# KiCad board Beacon_Multiboard_Stencil.kicad_pcb
title: Beacon; date: 2023-09-02; rev: 1; company: Beep Boop
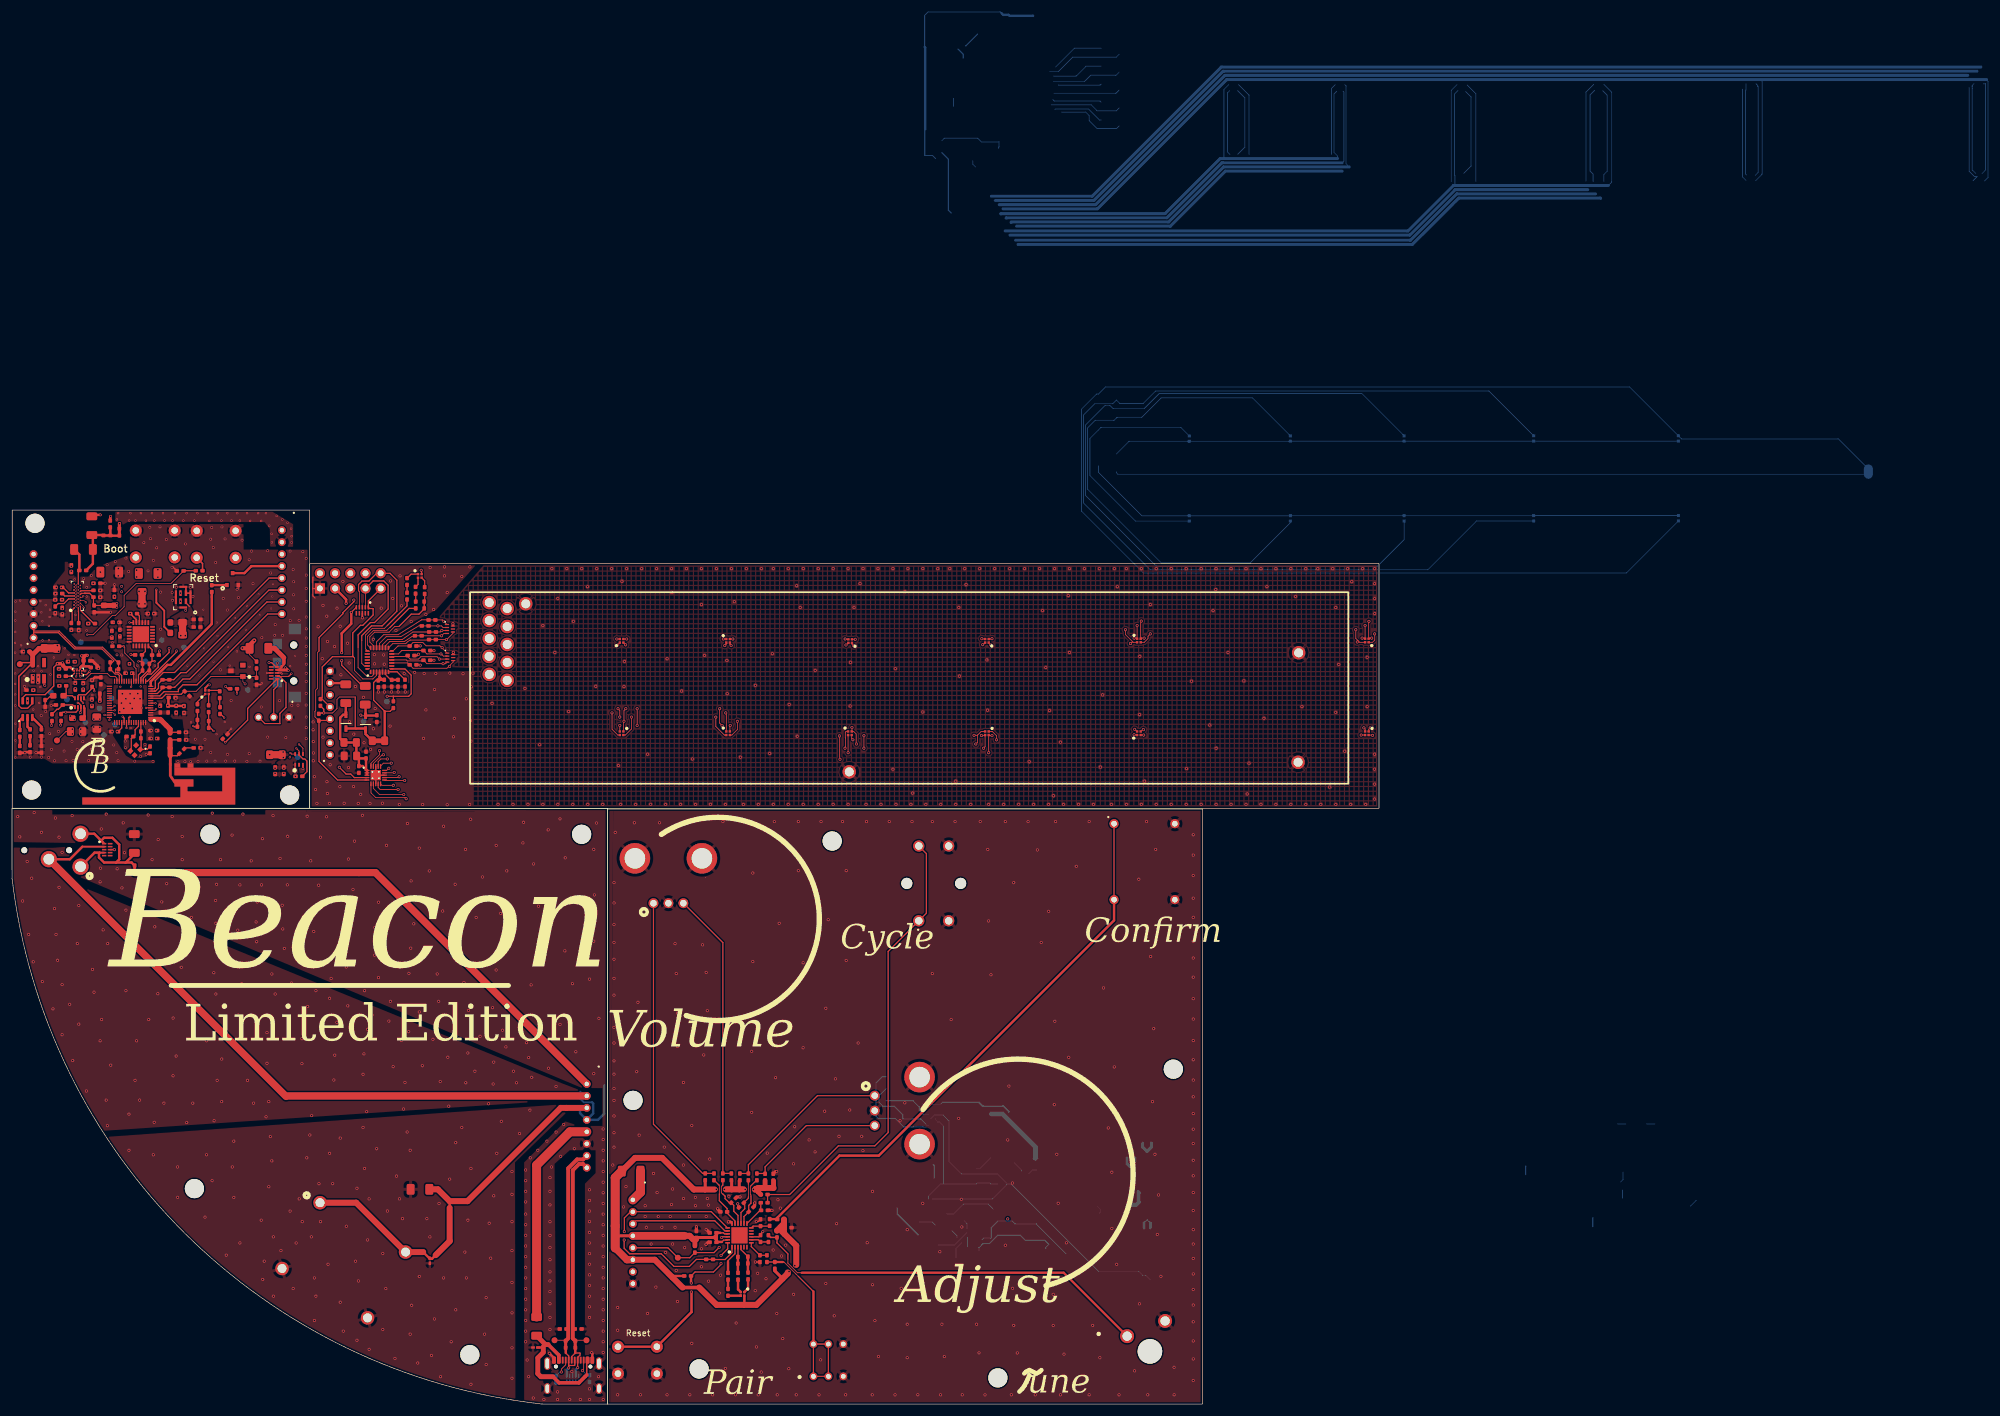
[diagram p0: board, top side]
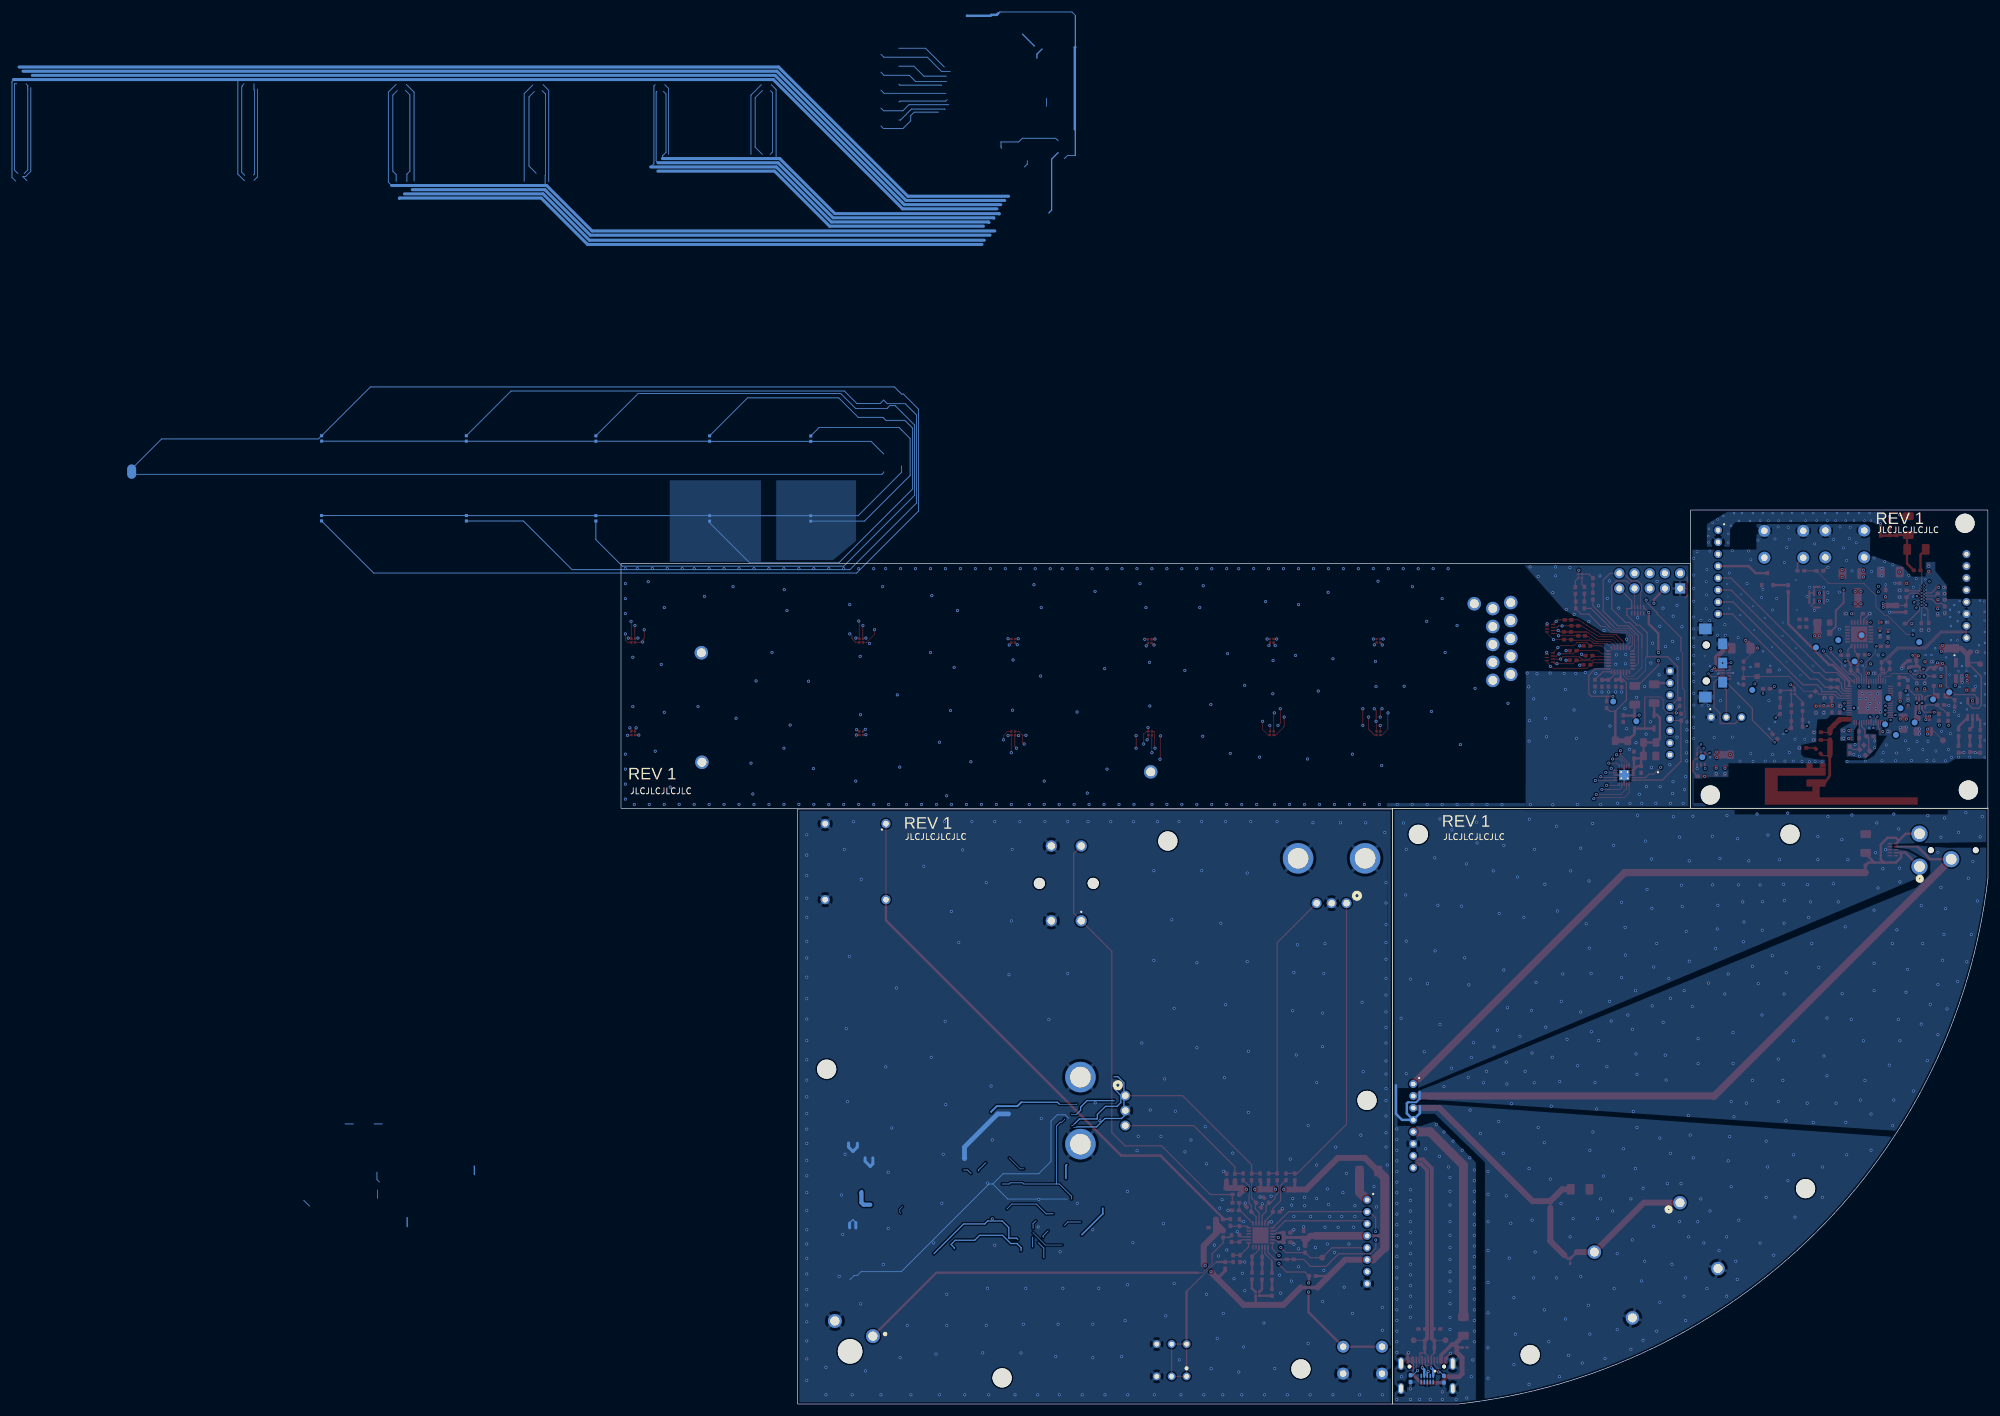
[diagram p1: board, bottom side, seen from below]

Outline 228.46 x 149.41 mm; copper layers: Top, In1.Cu, In2.Cu, In3.Cu, In4.Cu, Bottom. Coordinates in mm from the lower left corner of the outline.
Outline path: rectangle 0.04,149.41 49.71,99.58 ; rectangle 49.77,140.46 228.46,99.57 ; rectangle 99.5,99.44 198.94,0 ; 0,99.57 99.54,99.57 99.5,0 88.58,0 arc(28.95,28.47) 0.01,87.88 0,99.57
Stack: Top 0.035mm / dielectric 0.1mm FR4 er 4.5 / In1.Cu 0.035mm / dielectric 0.535mm FR4 er 4.5 / In2.Cu 0.035mm / dielectric 0.1mm FR4 er 4.5 / In3.Cu 0.035mm / dielectric 0.535mm FR4 er 4.5 / In4.Cu 0.035mm / dielectric 0.1mm FR4 er 4.5 / Bottom 0.035mm

## Placement (name value [footprint] x y rotation side)
AE801  F-ANTENNA  [2.4GHz_Inverted_F_Antenna]  11.74 100.18 180 top
Audio  -  [Board]  99.24 99.55 0 top
C301  1u00_0402_10  [0402_1005Metric_Handsolder]  127.23 37.91 270 top
C302  1u00_0402_10  [0402_1005Metric_Handsolder]  129.72 29.48 180 top
C303  1u00_0402_10  [0402_1005Metric_Handsolder]  59.17 108.47 270 top
C401  100n_0402_16  [0402_1005Metric_Handsolder]  57.98 106.05 90 top
C402  10u0_0805_16  [0805_2012Metric_Handsolder]  56.58 108.33 0 top
C403  1u00_0402_10  [0402_1005Metric_Handsolder]  61.22 120.37 90 top
C404  1u00_0402_10  [0402_1005Metric_Handsolder]  60.97 114.55 90 top
C405  10n0_0402_25  [0402_1005Metric_Handsolder]  62.21 120.47 90 top
C406  ????_0402_25  [0402_1005Metric_Handsolder]  67.02 123.55 180 top
C407  100n_0402_16  [0402_1005Metric_Handsolder]  64.52 120.45 90 top
C408  1u00_0402_10  [0402_1005Metric_Handsolder]  63.45 120.45 90 top
C409  100n_0402_16  [0402_1005Metric_Handsolder]  65.69 120.48 90 top
C410  ????_0402_25  [0402_1005Metric_Handsolder]  69.34 124.31 180 top
C411  ????_0402_25  [0402_1005Metric_Handsolder]  66.7 125.09 180 top
C412  ????_0402_25  [0402_1005Metric_Handsolder]  69.34 125.93 180 top
C413  ????_0402_25  [0402_1005Metric_Handsolder]  67.02 126.7 180 top
C501  4u70_0402_10  [0402_1005Metric_Handsolder]  11.9 119.92 270 top
C502  10u0_0805_16  [0805_2012Metric_Handsolder]  10.78 112.38 180 top
C503  10u0_0805_16  [0805_2012Metric_Handsolder]  14.15 113.81 90 top
C504  1u00_0402_10  [0402_1005Metric_Handsolder]  8.43 122.89 0 top
C505  1u00_0402_10  [0402_1005Metric_Handsolder]  9.91 124.06 0 top
C506  1u00_0402_10  [0402_1005Metric_Handsolder]  12.54 124.21 180 top
C507  100n_0402_16  [0402_1005Metric_Handsolder]  13.39 120.43 90 top
C508  100n_0402_16  [0402_1005Metric_Handsolder]  29.27 118.72 135 top
C509  1u00_1206_10_T  [1206_3216Metric_Handsolder]  20.44 93.7 90 top
C511  ????_0402_10  [0402_1005Metric_Handsolder]  10.58 119.96 270 top
C512  ????_0402_10  [0402_1005Metric_Handsolder]  13.37 117.2 270 top
C513  ????_0402_10  [0402_1005Metric_Handsolder]  13.74 123.1 180 top
C514  1u00_1206_10_T  [1206_3216Metric_Handsolder]  68.16 35.89 180 top
C531  ????_0402_25  [0402_1005Metric_Handsolder]  92.1 12.54 0 top
C532  ????_0402_25  [0402_1005Metric_Handsolder]  94.63 12.54 180 top
C533  1u00_0402_10  [0402_1005Metric_Handsolder]  2.99 119.32 0 top
C534  1u00_0402_10  [0402_1005Metric_Handsolder]  2.38 125.74 0 top
C601  ????_0402_25  [0402_1005Metric_Handsolder]  17.11 135.48 270 top
C602  ????_0402_25  [0402_1005Metric_Handsolder]  13.74 132.9 90 top
C603  1u00_0402_10  [0402_1005Metric_Handsolder]  14.19 134.85 180 top
C604  1u00_0402_10  [0402_1005Metric_Handsolder]  7.82 136.48 0 top
C605  1u00_0402_10  [0402_1005Metric_Handsolder]  9.92 139.61 270 top
C606  1u00_0402_10  [0402_1005Metric_Handsolder]  8.4 132.51 90 top
C607  1u00_1206_10_T  [1206_3216Metric_Handsolder]  11.98 142.83 0 top
C608  1u00_0402_10  [0402_1005Metric_Handsolder]  11.83 139.32 0 top
C609  1u00_0402_10  [0402_1005Metric_Handsolder]  16.42 147.09 90 top
C610  1u00_1206_10_T  [1206_3216Metric_Handsolder]  13.35 146.82 90 top
C611  1u00_1206_10_T  [1206_3216Metric_Handsolder]  16.35 139.04 0 top
C612  1u00_0402_10  [0402_1005Metric_Handsolder]  14.2 137.17 0 top
C613  1u00_0402_10  [0402_1005Metric_Handsolder]  13.31 130.44 0 top
C614  1u00_0402_10  [0402_1005Metric_Handsolder]  7.23 132.73 90 top
C615  1u00_0402_10  [0402_1005Metric_Handsolder]  7.83 135.46 0 top
C616  1u00_0402_10  [0402_1005Metric_Handsolder]  7.8 134.42 0 top
C617  1u00_0402_10  [0402_1005Metric_Handsolder]  9.92 129.96 90 top
C618  1u00_0402_10  [0402_1005Metric_Handsolder]  11.15 129.94 90 top
C619  1u00_0402_10  [0402_1005Metric_Handsolder]  14.19 135.99 180 top
C701  1u00_0402_10  [0402_1005Metric_Handsolder]  23.69 112.56 180 top
C702  100n_0402_16  [0402_1005Metric_Handsolder]  23.72 111.23 180 top
C703  100n_0402_16  [0402_1005Metric_Handsolder]  19.54 122.15 0 top
C704  ????_0402_10  [0402_1005Metric_Handsolder]  28.75 116.08 90 top
C705  1u00_0402_10  [0402_1005Metric_Handsolder]  27.44 116.11 90 top
C706  100n_0402_16  [0402_1005Metric_Handsolder]  26.76 118.08 180 top
C707  100n_0402_16  [0402_1005Metric_Handsolder]  24.79 116.14 270 top
C708  100n_0402_16  [0402_1005Metric_Handsolder]  14.85 120.87 270 top
C709  100n_0402_16  [0402_1005Metric_Handsolder]  17.16 112.38 0 top
C710  3p90_0402_25  [0402_1005Metric_Handsolder]  23.08 109.33 90 top
C711  3p90_0402_25  [0402_1005Metric_Handsolder]  19.71 111.56 0 top
C801  100n_0402_16  [0402_1005Metric_Handsolder]  28.11 139.24 0 top
C802  3p30_0402_50_N  [0402_1005Metric_Handsolder]  28.53 111 180 top
C803  3p60_0402_50_N  [0402_1005Metric_Handsolder]  28.5 112.27 180 top
C804  100n_0402_16  [0402_1005Metric_Handsolder]  30.93 109.66 180 top
C1001  100n_0402_16  [0402_1005Metric_Handsolder]  18.04 128.85 90 top
C1002  4u70_0402_10  [0402_1005Metric_Handsolder]  17.41 130.65 0 top
C1003  10n0_0402_25  [0402_1005Metric_Handsolder]  23.25 132.1 180 top
C1004  1u00_0402_10  [0402_1005Metric_Handsolder]  20.33 132.1 0 top
C1005  ????_0402_10  [0402_1005Metric_Handsolder]  16.7 128.64 90 top
C1101  4u70_0402_10  [0402_1005Metric_Handsolder]  45.43 105.84 90 top
C1102  100n_0402_16  [0402_1005Metric_Handsolder]  43.98 105.84 90 top
C1201  4u70_0402_10  [0402_1005Metric_Handsolder]  30.94 131.13 180 top
C1202  100n_0402_16  [0402_1005Metric_Handsolder]  30.93 129.85 180 top
C1401  100n_0402_16  [0402_1005Metric_Handsolder]  125.76 32.38 180 top
C1402  100n_0402_16  [0402_1005Metric_Handsolder]  125.1 30.3 270 top
C1403  100n_0402_16  [0402_1005Metric_Handsolder]  125 24.3 90 top
C1404  100n_0402_16  [0402_1005Metric_Handsolder]  125.1 27.66 270 top
C1405  10n0_0402_25  [0402_1005Metric_Handsolder]  118.95 32.12 0 top
C1406  10n0_0402_25  [0402_1005Metric_Handsolder]  120.58 34.05 225 top
C1407  10n0_0402_25  [0402_1005Metric_Handsolder]  121.9 33.24 45 top
C1408  10n0_0402_25  [0402_1005Metric_Handsolder]  123.52 32.53 225 top
C1501  100n_0402_16  [0402_1005Metric_Handsolder]  117.17 27.04 0 top
C1502  100n_0402_16  [0402_1005Metric_Handsolder]  114.38 28.34 270 top
C1503  1u00_0402_10  [0402_1005Metric_Handsolder]  117.17 28.62 0 top
C1603  ~  [TOUCH_SENSE]  278.49 161.38 270 bottom
C1604  ~  [TOUCH_SENSE]  254.31 161.37 270 bottom
C1605  ~  [TOUCH_SENSE]  232.66 161.36 270 bottom
C1606  ~  [TOUCH_SENSE]  213.65 161.36 270 bottom
C1607  ~  [TOUCH_SENSE]  196.75 161.34 270 bottom
C1609  ~  [TOUCH_SENSE]  278.5 148.04 90 bottom
C1610  ~  [TOUCH_SENSE]  254.3 148.03 90 bottom
C1611  ~  [TOUCH_SENSE]  232.66 148.02 90 bottom
C1612  ~  [TOUCH_SENSE]  213.65 148.02 90 bottom
C1613  ~  [TOUCH_SENSE]  196.75 148.01 90 bottom
C1618  ~  [TOUCH_SENSE]  310.24 155.83 270 bottom
D401  UHD1110  [UHD1110FKACL1A13r3q1BBQFMF3]  140.08 127.51 180 top
D402  UHD1110  [UHD1110FKACL1A13r3q1BBQFMF3]  140.03 112.11 0 top
D403  UHD1110  [UHD1110FKACL1A13r3q1BBQFMF3]  162.93 127.56 180 top
D404  UHD1110  [UHD1110FKACL1A13r3q1BBQFMF3]  162.93 112.11 270 top
D405  UHD1110  [UHD1110FKACL1A13r3q1BBQFMF3]  101.88 127.56 90 top
D406  UHD1110  [UHD1110FKACL1A13r3q1BBQFMF3]  101.88 112.11 270 top
D407  UHD1110  [UHD1110FKACL1A13r3q1BBQFMF3]  119.68 127.56 0 top
D408  UHD1110  [UHD1110FKACL1A13r3q1BBQFMF3]  119.68 112.11 0 top
D409  UHD1110  [UHD1110FKACL1A13r3q1BBQFMF3]  188.33 127.61 0 top
D410  UHD1110  [UHD1110FKACL1A13r3q1BBQFMF3]  188.33 112.11 90 top
D411  UHD1110  [UHD1110FKACL1A13r3q1BBQFMF3]  226.43 127.61 180 top
D412  UHD1110  [UHD1110FKACL1A13r3q1BBQFMF3]  226.43 112.11 270 top
D413  1N4148WX-TP  [SOD2512X115N]  55.82 114.04 90 top
D414  1N4148WX-TP  [SOD2512X115N]  59.09 113.87 90 top
D415  PESD4USB5B  [PESD4USB5BTBSX]  58.56 132.67 180 top
D416  -  [PUSB3TB6AZ]  73.2 129.53 0 top
D417  UHD1110  [UHD1110FKACL1A13r3q1BBQFMF3]  68.16 138.4 0 top
D418  -  [PUSB3TB6AZ]  73.24 124.75 0 top
D501  CLYBA-FKA  [CLYBA-FKA-CFHHKL9BBB7a363]  2.6 116.13 90 top
D502  ESDZV5HS-1BF4  [0201_0804Metric_Handsolder]  87.47 9.44 180 top
D503  BZX84C5V6-TP  [SOT23_Handsolder]  37.59 122.54 180 top
D504  PESD4USB5B  [PESD4USB5BTBSX]  15.9 92.65 270 top
D505  PESD4USB5B  [PESD4USB5BTBSX]  93.71 4.21 0 bottom
D506  TVSL02V03C011  [0201_0804Metric_Handsolder]  69.83 23.93 270 top
D507  PESD4USB5B  [PESD4USB5BTBSX]  43.84 122.19 90 top
D801  UHD1110  [UHD1110FKACL1A13r3q1BBQFMF3]  32.6 118.96 90 top
D1501  UHD1110  [UHD1110FKACL1A13r3q1BBQFMF3]  122.1 18.41 270 top
F201  1A1_1206_08  [1206_3216Metric_Handsolder]  22.75 138.81 180 top
F301  1A1_1206_08  [1206_3216Metric_Handsolder]  103.46 38.93 180 top
F401  1A1_1206_08  [1206_3216Metric_Handsolder]  55.79 118.7 270 top
F402  1A1_1206_08  [1206_3216Metric_Handsolder]  59.04 118.44 270 top
F501  1A1_1206_08  [1206_3216Metric_Handsolder]  41.26 126.31 180 top
F502  1A1_1206_08  [1206_3216Metric_Handsolder]  87.68 13 90 top
FLED  -  [Board]  50.13 140.46 0 top
H401  Plated_Through_Hole  [Plated_Hole_D1.5mm]  79.76 133.95 0 top
H402  Plated_Through_Hole  [Plated_Hole_D1.5mm]  82.76 132.95 0 top
H403  Plated_Through_Hole  [Plated_Hole_D1.5mm]  79.76 130.95 0 top
H404  Plated_Through_Hole  [Plated_Hole_D1.5mm]  82.76 129.95 0 top
H405  Plated_Through_Hole  [Plated_Hole_D1.5mm]  79.76 127.95 0 top
H411  Plated_Through_Hole  [Plated_Hole_D1.5mm]  82.76 120.95 0 top
H413  Plated_Through_Hole  [Plated_Hole_D1.5mm]  79.76 121.95 0 top
H415  Plated_Through_Hole  [Plated_Hole_D1.5mm]  82.76 123.95 0 top
H417  Plated_Through_Hole  [Plated_Hole_D1.5mm]  79.73 124.95 0 top
H423  Plated_Through_Hole  [Plated_Hole_D1.5mm]  82.76 126.95 0 top
H425  Plated_Through_Hole  [Plated_Hole_D1.5mm]  139.93 105.66 0 top
H426  Plated_Through_Hole  [Plated_Hole_D1.5mm]  214.93 107.26 0 top
H427  Plated_Through_Hole  [Plated_Hole_D1.5mm]  215.03 125.56 0 top
H428  Plated_Through_Hole  [Plated_Hole_D1.5mm]  85.86 133.75 0 top
J101  Conn_01x08_Pin  [CONN_1x08_P2.00mm_Horizontal]  45.11 139.04 270 top
J102  Conn_01x08_Pin  [CONN_1x08_P2.00mm_Horizontal]  53.15 115.49 90 bottom
J104  Conn_01x08_Pin  [CONN_1x08_P2.00mm_Horizontal]  103.76 27.12 270 top
J105  Conn_01x08_Pin  [CONN_1x08_P2.00mm_Horizontal]  96.06 46.49 270 top
J106  Conn_01x08_Pin  [CONN_1x08_P2.00mm_Horizontal]  3.61 135.04 90 bottom
J401  0805  [0805_CUT-N-JUMP]  56.52 110.57 0 top
J402  0402  [0402_CUT-N-JUMP]  70.22 131.01 0 top
J403  0402  [0402_CUT-N-JUMP]  69.07 130.02 0 top
J404  Conn_02x05_Odd_Even  [PinHeader_2x05_P2.54]  56.69 137.58 90 top
J405  0402  [0402_CUT-N-JUMP]  70.32 129.01 0 top
J406  0402  [0402_CUT-N-JUMP]  67.93 128.37 0 top
J407  0402  [0402_CUT-N-JUMP]  70.29 127.74 0 top
J408  0805  [0805_CUT-N-JUMP]  61.25 110.85 180 top
J409  0402  [0402_CUT-N-JUMP]  68.92 133.57 90 top
J410  0402  [0402_1005Metric_Handsolder]  5.55 117.09 90 top
J501  Conn_01x03_Pin  [LEAF_17461421]  46.47 123.85 90 bottom
J502  0402  [0402_1005Metric_Handsolder]  4.93 109.43 90 top
J503  0402  [0402_CUT-N-JUMP]  20.52 89.45 90 top
J505  0402  [0402_CUT-N-JUMP]  73.17 33.36 90 top
J508  0402  [0402_CUT-N-JUMP]  92.55 10 90 top
J509  Conn_01x03_Pin  [STX3000]  6.21 92.56 0 top
J510  USB_C_Receptacle_USB2.0  [USB4105-GF-A]  93.79 3.94 0 top
J511  0402  [0402_CUT-N-JUMP]  94.18 10 90 top
J513  Conn_01x02_Pin  [NYS2162U]  55.63 24.04 330 top
J601  0603  [0603_CUT-N-JUMP]  16.26 133.47 0 top
J603  0805  [0805_CUT-N-JUMP]  6.43 126.29 0 top
J604  0402  [0402_CUT-N-JUMP]  17.97 145.75 90 top
J605  0402  [0402_CUT-N-JUMP]  15.9 145.14 0 top
J701  0402  [0402_CUT-N-JUMP]  14.7 118.19 90 top
J702  0402  [0402_CUT-N-JUMP]  21.51 111.81 270 top
J703  0402  [0402_CUT-N-JUMP]  21.84 123.18 90 top
J704  0402  [0402_CUT-N-JUMP]  22.98 123.18 90 top
J705  0402  [0402_CUT-N-JUMP]  25.71 121.07 180 top
J706  0402  [0402_CUT-N-JUMP]  25.71 119.79 180 top
J708  PAD_S  [PAD_SMALL]  19.63 123.71 0 top
J801  0402  [0402_CUT-N-JUMP]  32.85 113.54 270 top
J802  0402  [0402_CUT-N-JUMP]  30.97 113.74 270 top
J803  0402  [0402_CUT-N-JUMP]  26.48 108.96 90 top
J804  0402  [0402_CUT-N-JUMP]  25.35 113.88 135 top
J1001  0805  [0805_CUT-N-JUMP]  21.74 134.76 270 top
J1101  0805  [0805_CUT-N-JUMP]  44.11 108.52 0 top
J1201  0805  [0805_CUT-N-JUMP]  28.51 129.59 90 top
J1501  0402  [0402_CUT-N-JUMP]  116.61 24.15 0 top
J1502  0402  [0402_CUT-N-JUMP]  121.34 24.04 90 top
J1503  0402  [0402_CUT-N-JUMP]  123.02 24.1 90 top
J1609  0402  [0402_CUT-N-JUMP]  17.78 123.35 270 top
J1610  0402  [0402_CUT-N-JUMP]  16.4 123.36 270 top
L501  22u0_0630_1A0_P  [0603_1608Metric_Handsolder]  10.94 114.61 180 top
L701  2n00_0402_1A0_P  [0402_1005Metric_Handsolder]  26.09 116.15 270 top
L801  2n00_0402_???_R  [0402_1005Metric_Handsolder]  26.43 111.57 90 top
L802  20n0_0402_???_R  [0402_1005Metric_Handsolder]  28.38 109.1 225 top
Main  -  [Board]  0.34 149.44 0 top
MK1201  MP34DT05-A  [MP34DT05TRA]  28.62 134.85 180 top
NOREF  -  [Mounting_Hole_M3]  164.8 4.42 0 top
NOREF#2  -  [Mounting_Hole_M3]  76.56 8.28 0 top
NOREF#3  -  [Mounting_Hole_M3]  46.45 101.82 0 top
NOREF#4  -  [Mounting_Hole_M3]  114.87 5.91 0 top
NOREF#5  -  [Mounting_Hole_M3]  95.24 95.25 0 top
NOREF#6  -  [Mounting_Hole_M3]  30.53 36.04 0 top
NOREF#7  -  [Mounting_Hole_M3]  3.33 102.65 0 top
NOREF#8  -  [Mounting_Hole_M3]  194.12 56 0 top
NOREF#9  -  [Mounting_Hole_M3]  33.13 95.27 0 top
NOREF#10  -  [Mounting_Hole_M3]  137.11 94.13 0 top
NOREF#11  -  [Mounting_Hole_M3]  103.83 50.78 0 top
PS501  TPS629206  [SOT-583-8]  11.27 117.21 90 top
PS502  BQ21080  [BGA8C40P2X4_104X159X50]  11.04 122.33 90 top
PS503  MIC5504-5-SOT23  [SOT23-5_Handsoldering]  4.41 122.56 90 top
Q1301  T2N7002AK,LM  [TBAT54CLM]  36.77 137.77 90 top
R401  4k70_0402_010  [0402_1005Metric_Handsolder]  51.55 117.25 270 top
R402  4k70_0402_010  [0402_1005Metric_Handsolder]  51.27 114.78 90 top
R403  1k00_0402_010  [0402_1005Metric_Handsolder]  68.97 135.96 90 top
R405  0330_0402_010  [0402_1005Metric_Handsolder]  67.45 136 90 top
R406  0100_0402_010  [0402_1005Metric_Handsolder]  67.47 133.54 90 top
R407  0330_0402_010  [0402_1005Metric_Handsolder]  66.02 137.46 90 top
R408  0100_0402_010  [0402_1005Metric_Handsolder]  66.02 135.03 90 top
R409  47k0_0402_010  [0402_1005Metric_Handsolder]  63.74 116.88 90 top
R501  ????_0402_010  [0402_1005Metric_Handsolder]  6.69 114.72 270 top
R502  ????_0402_010  [0402_1005Metric_Handsolder]  8.49 120.03 180 top
R503  ????_0402_010  [0402_1005Metric_Handsolder]  7.92 116.84 0 top
R504  27k4_0603_010  [0603_1608Metric_Handsolder]  7.77 118.39 0 top
R505  47k0_0402_010  [0402_1005Metric_Handsolder]  8.2 114.74 270 top
R506  47k0_0402_010  [0402_1005Metric_Handsolder]  37.04 119.54 180 top
R507  47k0_0402_010  [0402_1005Metric_Handsolder]  8.43 121.64 180 top
R508  220k_0402_010  [0402_1005Metric_Handsolder]  35.62 111.57 225 top
R509  10k0_0402_010  [0402_1005Metric_Handsolder]  40.87 123.51 90 top
R510  15k0_0402_010  [0402_1005Metric_Handsolder]  40.88 120.8 90 top
R511  0470_0402_010  [0402_1005Metric_Handsolder]  4.92 112.19 90 top
R512  0470_0402_010  [0402_1005Metric_Handsolder]  3.03 112.18 90 top
R513  1k00_0402_010  [0402_1005Metric_Handsolder]  1.31 112.08 90 top
R515  0033_0402_010  [0402_1005Metric_Handsolder]  3.02 109.52 90 top
R516  0470_0402_010  [0402_1005Metric_Handsolder]  1.31 109.41 90 top
R517  5k10_0402_010  [0402_1005Metric_Handsolder]  90.93 4.15 90 bottom
R518  5k10_0402_010  [0402_1005Metric_Handsolder]  96.52 4.25 90 bottom
R701  4k70_0402_010  [0402_1005Metric_Handsolder]  21.15 125.21 180 top
R702  4k70_0402_010  [0402_1005Metric_Handsolder]  23.98 125.17 0 top
R801  0470_0402_010  [0402_1005Metric_Handsolder]  34.72 118.55 90 top
R802  0033_0402_010  [0402_1005Metric_Handsolder]  34.77 115.89 90 top
R803  0220_0402_010  [0402_1005Metric_Handsolder]  32.87 116.21 90 top
R804  2k20_0402_010  [0402_1005Metric_Handsolder]  31.28 139.27 180 top
R805  0220_0402_010  [0402_1005Metric_Handsolder]  31 116.4 90 top
R1001  47k0_0402_010  [0402_1005Metric_Handsolder]  17.36 126.64 0 top
R1101  10k0_0402_010  [0402_1005Metric_Handsolder]  47.95 104.91 180 top
R1201  0000_0805_010  [0603_1608Metric_Handsolder]  26.44 129.75 90 top
R1301  0220_0402_010  [0402_1005Metric_Handsolder]  33.39 136.28 90 top
R1401  10k0_0402_010  [0402_1005Metric_Handsolder]  125.71 35.02 0 top
R1402  10k0_0402_010  [0402_1005Metric_Handsolder]  128.45 30.85 180 top
R1403  10k0_0402_010  [0402_1005Metric_Handsolder]  127.49 23.17 90 top
R1404  10k0_0402_010  [0402_1005Metric_Handsolder]  127.84 28.41 270 top
R1405  2k20_0402_010  [0402_1005Metric_Handsolder]  125.71 33.65 180 top
R1406  2k20_0402_010  [0402_1005Metric_Handsolder]  126.62 30.34 270 top
R1407  2k20_0402_010  [0402_1005Metric_Handsolder]  126.16 24.3 90 top
R1408  2k20_0402_010  [0402_1005Metric_Handsolder]  126.42 27.65 270 top
R1409  10k0_0402_010  [0402_1005Metric_Handsolder]  115.85 37.97 90 top
R1410  10k0_0402_010  [0402_1005Metric_Handsolder]  120.22 37.96 270 top
R1411  10k0_0402_010  [0402_1005Metric_Handsolder]  121.64 37.96 90 top
R1412  10k0_0402_010  [0402_1005Metric_Handsolder]  125.86 37.91 270 top
R1413  10k0_0402_010  [0402_1005Metric_Handsolder]  117.33 37.97 90 top
R1414  10k0_0402_010  [0402_1005Metric_Handsolder]  118.8 37.97 90 top
R1415  10k0_0402_010  [0402_1005Metric_Handsolder]  123.07 37.96 90 top
R1416  10k0_0402_010  [0402_1005Metric_Handsolder]  124.49 37.96 90 top
R1501  2k20_0402_010  [0402_1005Metric_Handsolder]  114.13 25.87 90 top
R1502  2k20_0402_010  [0402_1005Metric_Handsolder]  112.91 21.4 180 top
R1503  0470_0402_010  [0402_1005Metric_Handsolder]  119.66 18.66 270 top
R1504  0033_0402_010  [0402_1005Metric_Handsolder]  119.66 21.35 270 top
R1505  0220_0402_010  [0402_1005Metric_Handsolder]  121.34 21.35 270 top
R1506  0220_0402_010  [0402_1005Metric_Handsolder]  123.02 21.4 270 top
REF**  -  [Mounting_Hole_M3]  3.89 147.24 0 top
SW501  SW_SPDT  [A12AP]  43.83 113.69 270 top
SW801  SW_Push  [SW_PUSH_6mm]  27.19 141.49 180 top
SW802  SW_Push  [SW_PUSH_6mm]  37.37 141.44 180 top
SW1401  SW_Push  [B3J1100]  153.69 89.26 90 top
SW1402  SW_Push  [JF15CP2]  189.26 90.64 0 top
SW1403  SW_Push  [MHPS2283N]  136.44 7.52 0 top
SW1404  SW_Push  [MX1AC1NN]  190.17 8.8 0 top
SW1405  PEC11R-4215F-N0024  [PEC11R4215FN0024]  109.71 91.25 0 top
SW1406  PEC11R-4215F-N0024  [PEC11R4215FN0024]  151.73 49.04 270 top
SW1501  SW_Push  [SW_PUSH_6mm]  101.27 9.58 0 top
Tactile  -  [Board]  99.89 99.42 0 top
TP401  TOUCH_INT  [Testpoint_Pad_D1.0mm]  62.65 117.41 180 bottom
TP403  +3V3_DEBUG  [Testpoint_Pad_D1.0mm]  58.77 114.11 180 bottom
TP501  3V3  [Testpoint_Pad_D1.0mm]  7.52 110.9 0 top
TP502  SYS_PWR  [Testpoint_Pad_D1.0mm]  9.19 117.76 180 bottom
TP503  BAT_P  [Testpoint_Pad_D1.0mm]  11.51 127.34 180 bottom
TP504  3V3_PG  [Testpoint_Pad_D1.0mm]  6.48 118.96 180 bottom
TP505  BAT_MEASURE  [Testpoint_Pad_D1.0mm]  39.41 119.34 180 bottom
TP507  USB_DN  [Testpoint_Pad_D1.0mm]  90.67 10.66 0 top
TP508  USB_DP  [Testpoint_Pad_D1.0mm]  96.01 10.66 0 top
TP509  2V5  [Testpoint_Pad_D1.0mm]  1.31 123.66 0 top
TP701  I2S0_MCLK  [Testpoint_Pad_D1.0mm]  16.66 117.97 180 bottom
TP702  I2S1_BCLK  [Testpoint_Pad_D1.0mm]  28.75 126.45 180 bottom
TP703  I2S0_WCLK  [Testpoint_Pad_D1.0mm]  17.22 113.6 180 bottom
TP704  I2S1_MISO  [Testpoint_Pad_D1.0mm]  25.04 127.67 180 bottom